# KiCad board TRX055.01.01.PB.00.00.kicad_pcb (continued)
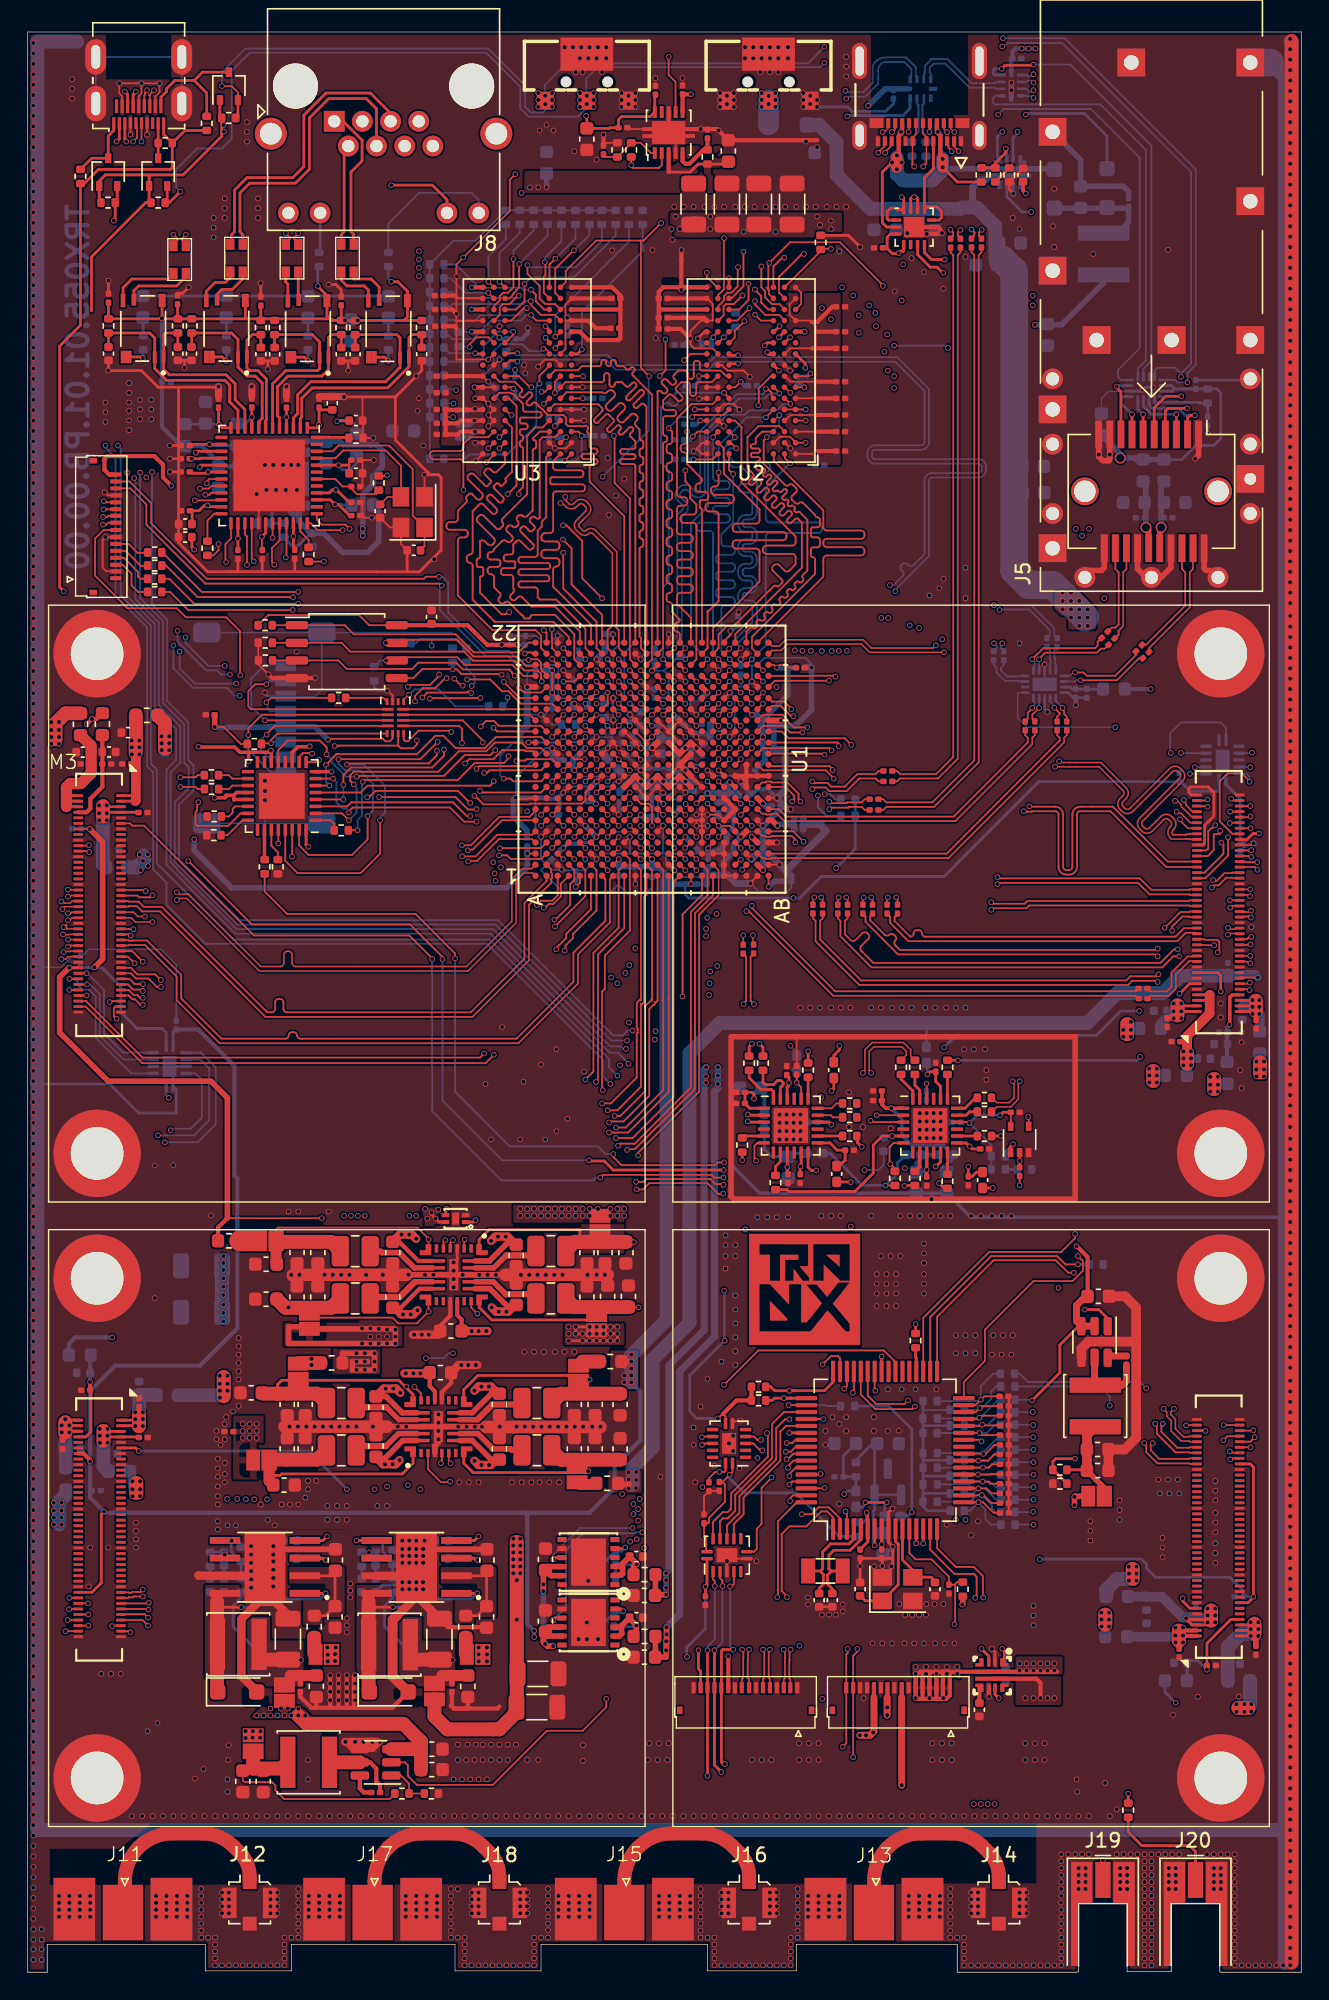
[diagram p0: board, top side]
## Routing (per net, layer and track width the routed paths; a pad name or vN(x,y) marks a point on that pad's centre or on a via; arc(x,y) is an arc through that point) (continued)
/A3_HS_13_N: length 47.5
  Top w0.124: M3.53 7.23,74.38 7.28,74.32 7.58,74.32 7.59,74.34 8.59,74.34 11.06,71.87 11.06,70.17 13.97,67.26 18.58,67.26 arc(18.74,67.33) 18.81,67.5 arc(18.88,67.66) 19.04,67.73 19.18,67.73 arc(19.34,67.66) 19.41,67.5 arc(19.48,67.33) 19.64,67.26 35.23,67.26 39.34,71.37 39.34,73.47 41.64,75.77 41.64,78.76 U1.G1
/A3_HS_13_P: length 47.5
  Top w0.124: M3.55 7.25,73.97 7.28,74.01 8.46,74.01 10.74,71.73 10.74,70.03 13.83,66.94 35.37,66.94 39.66,71.23 39.66,73.33 41.96,75.63 41.96,78.76 U1.H1
/A3_HS_14_N: length 54.8
  Top w0.106: v1(2.58,73.5) 2.62,73.55 3.05,73.55 3.08,73.58 M3.58
  Top w0.127: U1.F4 v1(41,81)
  In2.Cu w0.106: v1(2.58,73.5) 8.9,73.5 9.7,72.7 11.1,72.7 16.89,66.91 17.11,66.91 arc(17.48,66.75) 17.64,66.38 arc(17.7,66.22) 17.86,66.15 18.11,66.15 arc(18.26,66.22) 18.33,66.38 arc(18.49,66.75) 18.86,66.91 19.11,66.91 arc(19.48,66.75) 19.64,66.38 arc(19.7,66.22) 19.86,66.15 20.11,66.15 arc(20.26,66.22) 20.33,66.38 arc(20.49,66.75) 20.86,66.91 33.89,66.91 40.95,73.96 40.95,78.82 41,78.88 41,79.7 40.65,80.05 40.65,80.35 40.85,80.55 40.85,80.85 v1(41,81)
/A3_HS_14_P: length 59.2
  Top w0.106: M3.60 2.92,73.17 2.75,73 v1(2.42,73)
  Top w0.127: U1.G4 v1(41.8,81)
  In2.Cu w0.106: v1(41.8,81) 41.31,80.51 41.31,80.43 41.35,80.38 41.35,80.02 41.31,79.97 41.31,78.75 41.26,78.7 ; v1(2.42,73) 2.75,73 2.95,73.2 4.61,73.2 arc(4.68,73.17) 4.71,73.1 arc(4.74,73.02) 4.81,73 5.21,73 arc(5.28,73.02) 5.31,73.1 arc(5.34,73.17) 5.41,73.2 5.81,73.2 arc(5.98,73.12) 6.05,72.96 6.05,71.59 arc(6.12,71.42) 6.29,71.35 6.41,71.35 arc(6.58,71.42) 6.65,71.59 6.65,72.96 arc(6.72,73.12) 6.89,73.2 8.77,73.2 9.57,72.39 10.97,72.39 16.76,66.6 17.11,66.6 arc(17.26,66.53) 17.33,66.38 arc(17.49,66) 17.86,65.85 18.11,65.85 arc(18.48,66) 18.64,66.38 arc(18.7,66.53) 18.86,66.6 19.11,66.6 arc(19.26,66.53) 19.33,66.38 arc(19.49,66) 19.86,65.85 20.11,65.85 arc(20.48,66) 20.64,66.38 arc(20.7,66.53) 20.86,66.6 34.02,66.6 41.25,73.84 41.25,78.7
/A3_HS_15_N: length 55.4
  Top w0.127: M3.57 7.53,73.58 v1(8.3,72.8) ; U1.G2 v1(41.8,79.4)
  In2.Cu w0.106: v1(41.8,79.4) 41.8,73.62 33.89,65.71 32.21,65.71 arc(32.04,65.78) 31.97,65.95 31.97,66 arc(31.9,66.17) 31.73,66.24 31.61,66.24 arc(31.44,66.17) 31.37,66 31.37,65.95 arc(31.3,65.78) 31.13,65.71 31.01,65.71 arc(30.84,65.78) 30.77,65.95 30.77,66 arc(30.7,66.17) 30.53,66.24 30.41,66.24 arc(30.24,66.17) 30.17,66 30.17,65.95 arc(30.1,65.78) 29.93,65.71 27.62,65.71 arc(27.5,65.76) 27.45,65.88 arc(27.31,66.22) 26.97,66.36 26.62,66.36 arc(26.28,66.22) 26.14,65.88 26.14,65.33 arc(26.12,65.28) 26.07,65.25 25.52,65.25 arc(25.47,65.28) 25.45,65.33 25.45,65.88 arc(25.31,66.22) 24.97,66.36 24.62,66.36 arc(24.28,66.22) 24.14,65.88 24.14,65.33 arc(24.12,65.28) 24.07,65.25 23.52,65.25 arc(23.47,65.28) 23.45,65.33 23.45,65.88 arc(23.31,66.22) 22.97,66.36 22.62,66.36 arc(22.28,66.22) 22.14,65.88 22.14,65.33 arc(22.12,65.28) 22.07,65.25 21.52,65.25 arc(21.47,65.28) 21.45,65.33 arc(21.34,65.6) 21.07,65.71 20.52,65.71 arc(20.25,65.6) 20.14,65.33 arc(20.12,65.28) 20.07,65.25 19.52,65.25 arc(19.47,65.28) 19.45,65.33 arc(19.34,65.6) 19.07,65.71 18.52,65.71 arc(18.25,65.6) 18.14,65.33 arc(18.12,65.28) 18.07,65.25 17.52,65.25 arc(17.47,65.28) 17.45,65.33 arc(17.34,65.6) 17.07,65.71 16.39,65.71 9.95,72.15 8.68,72.15 8.3,72.54 v1(8.3,72.8)
/A3_HS_15_P: length 55.4
  Top w0.127: v1(7.7,72.7) 7.22,73.17 M3.59 ; U1.G3 v1(41.8,80.2)
  In2.Cu w0.106: v1(41.8,80.2) 42.02,79.98 42.02,79.82 42.15,79.69 42.15,79.25 42.11,79.21 42.11,73.49 34.02,65.4 27.62,65.4 arc(27.28,65.54) 27.14,65.88 arc(27.09,66) 26.97,66.05 26.62,66.05 arc(26.5,66) 26.45,65.88 26.45,65.33 arc(26.34,65.06) 26.07,64.95 25.52,64.95 arc(25.25,65.06) 25.14,65.33 25.14,65.88 arc(25.09,66) 24.97,66.05 24.62,66.05 arc(24.5,66) 24.45,65.88 24.45,65.33 arc(24.34,65.06) 24.07,64.95 23.52,64.95 arc(23.25,65.06) 23.14,65.33 23.14,65.88 arc(23.09,66) 22.97,66.05 22.62,66.05 arc(22.5,66) 22.45,65.88 22.45,65.33 arc(22.34,65.06) 22.07,64.95 21.52,64.95 arc(21.25,65.06) 21.14,65.33 arc(21.12,65.38) 21.07,65.4 20.52,65.4 arc(20.47,65.38) 20.45,65.33 arc(20.34,65.06) 20.07,64.95 19.52,64.95 arc(19.25,65.06) 19.14,65.33 arc(19.12,65.38) 19.07,65.4 18.52,65.4 arc(18.47,65.38) 18.45,65.33 arc(18.34,65.06) 18.07,64.95 17.52,64.95 arc(17.25,65.06) 17.14,65.33 arc(17.12,65.38) 17.07,65.4 16.26,65.4 9.82,71.85 8.55,71.85 v1(7.7,72.7)
/A3_HS_16_N: length 58.9
  Top w0.127: v1(9.6,70.99) 9.31,70.99 8.7,71.6 7.8,71.6 7.42,71.97 M3.65 ; U1.H4 v1(42.6,81.8)
  In2.Cu w0.106: v1(42.6,81.8) 42.6,81.63 43,81.23 43,79.4 42.95,79.35 42.95,73.24 34.12,64.4 28.58,64.4 arc(28.31,64.51) 28.2,64.78 arc(28.17,64.83) 28.12,64.85 27.58,64.85 arc(27.53,64.83) 27.5,64.78 27.5,64.28 arc(27.38,63.97) 27.07,63.85 26.63,63.85 arc(26.32,63.97) 26.2,64.28 arc(26.16,64.36) 26.07,64.4 25.63,64.4 arc(25.54,64.36) 25.5,64.28 arc(25.38,63.97) 25.07,63.85 24.63,63.85 arc(24.32,63.97) 24.2,64.28 arc(24.16,64.36) 24.07,64.4 23.63,64.4 arc(23.54,64.36) 23.5,64.28 arc(23.38,63.97) 23.07,63.85 22.63,63.85 arc(22.32,63.97) 22.2,64.28 arc(22.16,64.36) 22.07,64.4 21.63,64.4 arc(21.54,64.36) 21.5,64.28 arc(21.38,63.97) 21.07,63.85 20.63,63.85 arc(20.32,63.97) 20.2,64.28 arc(20.16,64.36) 20.07,64.4 19.63,64.4 arc(19.54,64.36) 19.5,64.28 arc(19.38,63.97) 19.07,63.85 18.63,63.85 arc(18.32,63.97) 18.2,64.28 arc(18.16,64.36) 18.07,64.4 17.63,64.4 arc(17.54,64.36) 17.5,64.28 arc(17.38,63.97) 17.07,63.85 16.63,63.85 arc(16.32,63.97) 16.2,64.28 16.2,64.78 arc(16.17,64.83) 16.12,64.85 15.58,64.85 arc(15.53,64.83) 15.5,64.78 arc(15.39,64.51) 15.12,64.4 14.68,64.4 9.95,69.14 9.95,70.71 9.66,70.99 v1(9.6,70.99) 9.68,71.08 9.68,70.87
/A3_HS_16_P: length 58.5
  Top w0.127: U1.H3 v1(42.6,81) ; v1(9.6,71.49) 9.19,71.9 7.9,71.9 7.42,72.38 M3.63
  In2.Cu w0.106: 9.68,71.41 v1(9.6,71.49) 10.25,70.84 10.25,70.79 arc(10.33,70.62) 10.49,70.55 10.71,70.55 arc(10.88,70.48) 10.95,70.31 10.95,70.19 arc(10.88,70.02) 10.71,69.95 10.49,69.95 arc(10.33,69.88) 10.25,69.71 10.25,69.26 14.81,64.71 15.12,64.71 arc(15.17,64.73) 15.2,64.78 arc(15.31,65.05) 15.58,65.16 16.12,65.16 arc(16.39,65.05) 16.5,64.78 16.5,64.28 arc(16.54,64.19) 16.63,64.15 17.07,64.15 arc(17.16,64.19) 17.2,64.28 arc(17.32,64.58) 17.63,64.71 18.07,64.71 arc(18.38,64.58) 18.5,64.28 arc(18.54,64.19) 18.63,64.15 19.07,64.15 arc(19.16,64.19) 19.2,64.28 arc(19.32,64.58) 19.63,64.71 20.07,64.71 arc(20.38,64.58) 20.5,64.28 arc(20.54,64.19) 20.63,64.15 21.07,64.15 arc(21.16,64.19) 21.2,64.28 arc(21.32,64.58) 21.63,64.71 22.07,64.71 arc(22.38,64.58) 22.5,64.28 arc(22.54,64.19) 22.63,64.15 23.07,64.15 arc(23.16,64.19) 23.2,64.28 arc(23.32,64.58) 23.63,64.71 24.07,64.71 arc(24.38,64.58) 24.5,64.28 arc(24.54,64.19) 24.63,64.15 25.07,64.15 arc(25.16,64.19) 25.2,64.28 arc(25.32,64.58) 25.63,64.71 26.07,64.71 arc(26.38,64.58) 26.5,64.28 arc(26.54,64.19) 26.63,64.15 27.07,64.15 arc(27.16,64.19) 27.2,64.28 27.2,64.78 arc(27.31,65.05) 27.58,65.16 28.12,65.16 arc(28.39,65.05) 28.5,64.78 arc(28.53,64.73) 28.58,64.71 33.91,64.71 42.65,73.45 42.65,79.49 42.23,79.91 42.23,80.29 42.16,80.35 42.16,80.56 v1(42.6,81)
/A3_HS_17_N: length 58.6
  Top w0.12: v1(8.3,70.7) 8.39,70.79
  Top w0.127: M3.69 7.22,71.17 7.6,70.8 8.3,70.8 ; U1.G6 v1(41.8,82.6)
  In2.Cu w0.106: v1(42.5,71.25) 42.06,71.25 42.01,71.2 42.01,71.12 34.19,63.3 14.18,63.3 11.52,65.96 arc(11.39,66.28) 11.52,66.6 arc(11.57,66.71) 11.52,66.81 11.25,67.09 arc(11.14,67.13) 11.04,67.09 10.5,66.56 arc(10.11,66.39) 9.72,66.56 9.58,66.7 arc(9.41,67.09) 9.58,67.48 9.61,67.52 arc(9.69,67.69) 9.61,67.87 9.25,68.24 9.25,69.82 8.36,70.7 v1(8.3,70.7) ; v1(8.3,70.7) 8.4,70.8 ; v1(8.3,70.7) 8.39,70.79
  In4.Cu w0.106: 41.8,82.58 v1(41.8,82.6) 41.42,82.22 41.42,79.95 40.93,79.45 40.93,73.84 42.5,72.27 v1(42.5,71.25)
/A3_HS_17_P: length 58.6
  Top w0.12: v1(8.3,71.2) 8.39,71.11
  Top w0.127: U1.F6 v1(41,82.6) ; M3.67 7.33,71.58 7.7,71.2 8.4,71.2
  In2.Cu w0.106: v1(8.3,71.2) 8.39,71.11 ; v1(8.3,71.2) 9.55,69.95 9.55,68.36 9.83,68.09 arc(10,67.69) 9.83,67.3 9.79,67.26 arc(9.72,67.09) 9.79,66.92 9.94,66.77 arc(10.11,66.7) 10.28,66.77 10.82,67.31 arc(11.14,67.44) 11.46,67.31 11.74,67.03 arc(11.88,66.71) 11.74,66.38 arc(11.7,66.28) 11.74,66.18 12.68,65.24 arc(12.85,65.17) 13.02,65.24 13.1,65.32 arc(13.27,65.39) 13.44,65.32 13.53,65.24 arc(13.6,65.07) 13.53,64.9 13.44,64.81 arc(13.37,64.64) 13.44,64.47 14.31,63.61 34.06,63.61 41.71,71.26 41.71,71.33 v1(42.05,71.67) ; v1(8.3,71.2) 8.4,71.1
  In4.Cu w0.106: v1(41,82.6) 41,82.58 40.58,82.15 40.58,79.6 40.62,79.55 40.62,73.71 42.19,72.14 42.19,71.82 v1(42.05,71.67)
/A3_HS_18_N: length 65.1
  Top w0.127: U1.G8 v1(41.8,84.2) ; M3.73 7.28,70.38 7.55,70.1 7.72,70.1 8.12,69.7 8.4,69.7
  In2.Cu w0.106: 8.33,69.7 v1(8.3,69.7) 8.3,67.18 12.88,62.6 13.57,62.6 arc(13.65,62.56) 13.69,62.48 arc(13.73,62.39) 13.81,62.36 14.17,62.36 arc(14.25,62.39) 14.29,62.48 arc(14.33,62.56) 14.41,62.6 14.77,62.6 arc(14.85,62.56) 14.89,62.48 arc(14.93,62.39) 15.01,62.36 15.37,62.36 arc(15.45,62.39) 15.49,62.48 arc(15.53,62.56) 15.61,62.6 15.97,62.6 arc(16.05,62.56) 16.09,62.48 arc(16.13,62.39) 16.21,62.36 16.57,62.36 arc(16.65,62.39) 16.69,62.48 arc(16.73,62.56) 16.81,62.6 17.17,62.6 arc(17.25,62.56) 17.29,62.48 arc(17.33,62.39) 17.41,62.36 17.77,62.36 arc(17.85,62.39) 17.89,62.48 arc(17.93,62.56) 18.01,62.6 18.37,62.6 arc(18.45,62.56) 18.49,62.48 arc(18.53,62.39) 18.61,62.36 18.97,62.36 arc(19.05,62.39) 19.09,62.48 arc(19.13,62.56) 19.21,62.6 19.57,62.6 arc(19.65,62.56) 19.69,62.48 arc(19.73,62.39) 19.81,62.36 20.17,62.36 arc(20.25,62.39) 20.29,62.48 arc(20.33,62.56) 20.41,62.6 20.77,62.6 arc(20.85,62.56) 20.89,62.48 arc(20.93,62.39) 21.01,62.36 21.37,62.36 arc(21.45,62.39) 21.49,62.48 arc(21.53,62.56) 21.61,62.6 21.97,62.6 arc(22.05,62.56) 22.09,62.48 arc(22.13,62.39) 22.21,62.36 22.57,62.36 arc(22.65,62.39) 22.69,62.48 arc(22.73,62.56) 22.81,62.6 23.17,62.6 arc(23.25,62.56) 23.29,62.48 arc(23.33,62.39) 23.41,62.36 23.77,62.36 arc(23.85,62.39) 23.89,62.48 arc(23.93,62.56) 24.01,62.6 24.37,62.6 arc(24.45,62.56) 24.49,62.48 arc(24.53,62.39) 24.61,62.36 24.97,62.36 arc(25.05,62.39) 25.09,62.48 arc(25.13,62.56) 25.21,62.6 25.57,62.6 arc(25.65,62.56) 25.69,62.48 arc(25.73,62.39) 25.81,62.36 26.17,62.36 arc(26.25,62.39) 26.29,62.48 arc(26.33,62.56) 26.41,62.6 26.77,62.6 arc(26.85,62.56) 26.89,62.48 arc(26.93,62.39) 27.01,62.36 27.37,62.36 arc(27.45,62.39) 27.49,62.48 arc(27.53,62.56) 27.61,62.6 27.97,62.6 arc(28.05,62.56) 28.09,62.48 arc(28.13,62.39) 28.21,62.36 28.57,62.36 arc(28.65,62.39) 28.69,62.48 arc(28.73,62.56) 28.81,62.6 29.17,62.6 arc(29.25,62.56) 29.29,62.48 arc(29.33,62.39) 29.41,62.36 29.77,62.36 arc(29.85,62.39) 29.89,62.48 arc(29.93,62.56) 30.01,62.6 30.37,62.6 arc(30.45,62.56) 30.49,62.48 arc(30.53,62.39) 30.61,62.36 30.97,62.36 arc(31.05,62.39) 31.09,62.48 arc(31.13,62.56) 31.21,62.6 31.57,62.6 arc(31.65,62.56) 31.69,62.48 arc(31.73,62.39) 31.81,62.36 32.17,62.36 arc(32.25,62.39) 32.29,62.48 arc(32.33,62.56) 32.41,62.6 32.77,62.6 arc(32.85,62.56) 32.89,62.48 arc(32.93,62.39) 33.01,62.36 33.37,62.36 arc(33.45,62.39) 33.49,62.48 arc(33.53,62.56) 33.61,62.6 33.97,62.6 arc(34.05,62.56) 34.09,62.48 arc(34.13,62.39) 34.21,62.36 34.57,62.36 arc(34.65,62.39) 34.69,62.48 arc(34.73,62.56) 34.81,62.6 35.24,62.6 43.2,70.56 43.2,71.47 43.55,71.83 43.55,72.25 43.36,72.44 v1(43.36,72.56)
  In4.Cu w0.106: 42.22,83.78 42.21,83.79 ; 42.21,83.79 42.21,83.29 42.47,83.03 42.68,83.03 42.95,82.75 42.95,79.1 42.77,78.92 42.77,78.8 ; 42.21,83.79 v1(41.8,84.2) ; 42.77,78.8 42.77,78.87 ; 42.77,78.8 42.77,73.08 43.29,72.56 v1(43.36,72.56)
/A3_HS_18_P: length 58.3
  Top w0.127: v1(8.3,70.2) 8.1,70.2 7.9,70.4 7.65,70.4 7.28,70.78 M3.71 ; U1.G7 v1(41.8,83.4)
  In2.Cu w0.106: v1(43.08,72) 42.88,71.8 42.88,71.41 42.88,71.41 42.88,71.09 42.88,71.09 42.88,70.67 35.12,62.91 13.01,62.91 8.61,67.31 8.61,69.51 8.65,69.55 8.65,69.85 8.45,70.05 v1(8.3,70.2) 8.42,70.08
  In4.Cu w0.106: v1(41.8,83.4) 41.8,83.1 42.21,82.69 42.21,73.21 43.08,72.34 v1(43.08,72)
/A3_LS_GPIO_0: length 63.1
  Top w0.127: M3.72 v1(3,70.78) ; U1.H6 v1(42.6,82.6)
  In2.Cu w0.1: 43.3,81.36 43,81.66 43,82.2 v1(42.6,82.6)
  In2.Cu w0.127: 43.3,81.36 43.3,73.43 43.8,72.93 43.8,70.08 35.85,62.13 12.17,62.13 6.9,67.4 6.9,69.5 5.62,70.78 v1(3,70.78)
/A3_LS_GPIO_1: length 63.9
  Top w0.127: U1.H5 41.78,81.78 ; v1(4.25,70.38) M3.74
  In2.Cu w0.127: v1(4.25,70.38) 4.28,70.35 4.28,69.03 9.6,63.7 10.1,63.7 11.93,61.87 36.02,61.87 44.08,69.93 44.08,73.4 43.79,73.69 v1(43.79,73.76)
  In4.Cu w0.127: v1(43.79,73.76) 43.44,74.11 43.44,78.71 43.84,79.11 43.84,81.16 44.2,81.53 v1(44.2,81.8)
  Bottom w0.127: v1(41.8,81.8) 42.16,82.16 43.84,82.16 44.22,81.78
/A3_LS_GPIO_2: length 58.3
  Top w0.127: M3.76 4.2,69.97 8.28,65.9 32.6,65.9 v1(32.9,66.2) ; U1.D7 39.38,83.42
  In4.Cu w0.127: v1(39.4,83.4) 39.58,83.4 40,82.97 40.35,82.97 40.7,83.33 40.7,83.83 40.28,84.25 36.08,84.25 32.55,80.72 32.55,74.3 33.1,73.75 33.1,67.7 32.9,67.5 v1(32.9,66.2)
/A3_LS_GPIO_3: length 55.5
  Top w0.127: v1(33.6,66.1) 33,65.5 8.25,65.5 4.17,69.58 M3.78 ; U1.D6 39.35,82.65
  In4.Cu w0.127: v1(39.42,82.6) 39.15,82.6 38.71,83.04 37.65,83.04 37.38,83.31 37.38,83.54 37.15,83.76 36.64,83.76 36.1,83.22 35.76,83.22 32.9,80.37 32.9,75 33.6,74.3 v1(33.6,66.1)
/A3_SPI_EN: length 55
  Top w0.127: v1(45,82.6) 45,83.96 44.76,84.19 44.21,84.19 U1.K8
  In2.Cu w0.127: v1(43.34,68.42) 42.93,68.42 36.13,61.62 11.56,61.62 v1(10.17,63)
  In4.Cu w0.127: 43.34,68.59 44.64,69.89 44.64,82.24 v1(45,82.6)
  Bottom w0.127: U23.8 9.97,63.2 v1(10.17,63)
/A4_HS_16_N: length 91.2
  Top w0.124: v1(8.3,27.07) 7.65,27.07 7.59,27.01 7.28,27.01 7.25,26.97 M4.65
  Top w0.127: 45,70.1 44.5,69.6 44.5,63.47 42.72,61.7 v1(42.3,61.7) ; 45,70.1 45,77.7 ; 45,70.1 45,70 ; 45,77.7 45,79.4 U1.L2 ; 45,77.7 45,77.6
  In2.Cu w0.106: v1(42.3,61.7) 41.22,61.7 38.81,59.29 25.3,59.29 arc(24.93,59.45) 24.77,59.82 arc(24.71,59.98) 24.55,60.05 24.3,60.05 arc(24.15,59.98) 24.08,59.82 arc(23.92,59.45) 23.55,59.29 23.3,59.29 arc(22.93,59.45) 22.77,59.82 arc(22.71,59.98) 22.55,60.05 22.3,60.05 arc(22.15,59.98) 22.08,59.82 arc(21.92,59.45) 21.55,59.29 21.3,59.29 arc(20.93,59.45) 20.77,59.82 arc(20.71,59.98) 20.55,60.05 20.3,60.05 arc(20.15,59.98) 20.08,59.82 arc(19.92,59.45) 19.55,59.29 19.3,59.29 arc(18.93,59.45) 18.77,59.82 arc(18.71,59.98) 18.55,60.05 18.3,60.05 arc(18.15,59.98) 18.08,59.82 arc(17.92,59.45) 17.55,59.29 17.3,59.29 arc(16.93,59.45) 16.77,59.82 arc(16.71,59.98) 16.55,60.05 16.3,60.05 arc(16.15,59.98) 16.08,59.82 arc(15.92,59.45) 15.55,59.29 15.3,59.29 arc(14.93,59.45) 14.77,59.82 arc(14.71,59.98) 14.55,60.05 14.3,60.05 arc(14.15,59.98) 14.08,59.82 arc(13.92,59.45) 13.55,59.29 13.16,59.29 10.12,56.26 10.12,28.56 8.74,27.17 8.4,27.17 v1(8.3,27.07)
/A4_HS_16_P: length 89.5
  Top w0.124: v1(8.3,27.57) 8.13,27.4 7.52,27.4 7.46,27.34 7.28,27.34 7.25,27.38 M4.63
  Top w0.127: U1.L1 44.6,77.65 ; 44.6,77.65 44.6,77.6 ; 44.6,77.65 44.43,77.48 44.43,69.91 44.29,69.77 44.2,69.77 44.2,63.8 42.5,62.1 v1(41.8,62.1)
  In2.Cu w0.106: v1(8.3,27.57) 8.4,27.48 8.61,27.48 9.82,28.68 9.82,56.38 13.03,59.6 13.55,59.6 arc(13.71,59.67) 13.77,59.82 arc(13.93,60.2) 14.3,60.35 14.55,60.35 arc(14.92,60.2) 15.08,59.82 arc(15.15,59.67) 15.3,59.6 15.55,59.6 arc(15.71,59.67) 15.77,59.82 arc(15.93,60.2) 16.3,60.35 16.55,60.35 arc(16.92,60.2) 17.08,59.82 arc(17.15,59.67) 17.3,59.6 17.55,59.6 arc(17.71,59.67) 17.77,59.82 arc(17.93,60.2) 18.3,60.35 18.55,60.35 arc(18.92,60.2) 19.08,59.82 arc(19.15,59.67) 19.3,59.6 19.55,59.6 arc(19.71,59.67) 19.77,59.82 arc(19.93,60.2) 20.3,60.35 20.55,60.35 arc(20.92,60.2) 21.08,59.82 arc(21.15,59.67) 21.3,59.6 21.55,59.6 arc(21.71,59.67) 21.77,59.82 arc(21.93,60.2) 22.3,60.35 22.55,60.35 arc(22.92,60.2) 23.08,59.82 arc(23.15,59.67) 23.3,59.6 23.55,59.6 arc(23.71,59.67) 23.77,59.82 arc(23.93,60.2) 24.3,60.35 24.55,60.35 arc(24.92,60.2) 25.08,59.82 arc(25.15,59.67) 25.3,59.6 38.68,59.6 41.09,62.01 41.71,62.01 v1(41.8,62.1)
/A4_HS_17_N: length 93.5
  Top w0.127: 45.8,70.12 45.8,79.4 U1.M2 ; 45.8,70.12 45.8,63.55 43.11,60.86 v1(42.4,60.86) ; 45.8,70.12 45.8,70 ; M4.69 8.65,26.18
  In2.Cu w0.106: v1(8.7,26.12) 8.81,26.23 9.47,26.23 11.13,27.9 11.13,54.71 14.76,58.35 16.6,58.35 arc(16.78,58.27) 16.85,58.1 16.85,58 arc(17.01,57.6) 17.4,57.44 17.6,57.44 arc(18,57.6) 18.16,58 18.16,58.78 arc(18.2,58.86) 18.28,58.9 18.73,58.9 arc(18.81,58.86) 18.85,58.78 18.85,58 arc(19.01,57.6) 19.4,57.44 19.6,57.44 arc(20,57.6) 20.16,58 20.16,58.78 arc(20.2,58.86) 20.28,58.9 20.73,58.9 arc(20.81,58.86) 20.85,58.78 20.85,58 arc(21.01,57.6) 21.4,57.44 21.6,57.44 arc(22,57.6) 22.16,58 22.16,58.78 arc(22.2,58.86) 22.28,58.9 22.73,58.9 arc(22.81,58.86) 22.85,58.78 arc(22.98,58.47) 23.28,58.35 38.96,58.35 41.48,60.86 v1(42.4,60.86)
/A4_HS_17_P: length 91.9
  Top w0.127: M4.67 8.67,26.57 ; U1.M1 45.4,77.67 ; 45.4,77.67 45.4,70 45.31,69.91 45.23,69.91 45.2,69.88 45.2,69.77 45.12,69.69 45.09,69.69 44.8,69.4 44.8,63.15 42.95,61.3 41.97,61.3 v1(41.9,61.22) ; 45.4,77.67 45.4,77.6
  In2.Cu w0.106: v1(41.9,61.22) 41.85,61.17 41.35,61.17 38.84,58.65 23.28,58.65 arc(23.2,58.69) 23.16,58.78 arc(23.03,59.08) 22.73,59.21 22.28,59.21 arc(21.98,59.08) 21.85,58.78 21.85,58 arc(21.78,57.82) 21.6,57.75 21.4,57.75 arc(21.23,57.82) 21.16,58 21.16,58.78 arc(21.03,59.08) 20.73,59.21 20.28,59.21 arc(19.98,59.08) 19.85,58.78 19.85,58 arc(19.78,57.82) 19.6,57.75 19.4,57.75 arc(19.23,57.82) 19.16,58 19.16,58.78 arc(19.03,59.08) 18.73,59.21 18.28,59.21 arc(17.98,59.08) 17.85,58.78 17.85,58 arc(17.78,57.82) 17.6,57.75 17.4,57.75 arc(17.23,57.82) 17.16,58 17.16,58.1 arc(17,58.49) 16.6,58.65 14.64,58.65 10.82,54.84 10.82,28.05 9.31,26.54 8.81,26.54 v1(8.72,26.62)
/A4_HS_18_N: length 88.2
  Top w0.127: U1.P1 46.55,78.55 46.55,63.05 43.6,60.1 v1(42.4,60.1) ; M4.73 8.28,25.38 v1(8.67,24.97)
  In2.Cu w0.106: v1(42.4,60.1) 42.3,60 42.1,60 41.62,59.52 41.62,58.32 40.19,56.89 15.04,56.89 13.06,54.91 13.04,54.91 12.82,54.68 12.82,54.67 11.95,53.8 11.95,27.27 9.79,25.11 8.81,25.11 v1(8.67,24.97)
/A4_HS_18_P: length 87.5
  Top w0.127: 46.2,70.15 46.2,63.42 43.28,60.5 42.55,60.5 42.55,60.5 42.25,60.5 42.25,60.5 v1(41.9,60.5) ; 46.2,70.15 U1.N1 ; 46.2,70.15 46.2,70 ; M4.71 6.75,25.8 8.42,25.8 v1(8.67,25.55)
  In2.Cu w0.106: v1(8.67,25.55) 8.81,25.42 9.63,25.42 11.65,27.43 11.65,53.93 14.91,57.2 40.06,57.2 41.34,58.47 41.34,59.64 41.9,60.2 v1(41.9,60.5)
/A4_LS_GPIO_0: length 89.5
  Top w0.127: 44.2,70.15 44.2,70 ; 44.2,70.15 44.2,79.4 U1.K2 ; 44.2,70.15 43.9,69.85 43.9,68.07 43.96,68 43.96,67.7 43.9,67.63 43.9,64.47 42.03,62.6 v1(41.4,62.6) ; M4.72 4.4,25.78
  In2.Cu w0.127: 4.67,25.78 v1(4.38,25.78) 6.5,25.78 7.4,26.68 7.4,27.43 8.1,28.12 8.55,28.12 9.22,28.8 9.22,47.25 8.62,47.85 8.62,49.25 9.08,49.7 9.08,56.17 13.5,60.6 36.55,60.6 38.55,62.6 v1(41.4,62.6)
/A4_LS_GPIO_1: length 96.3
  Top w0.127: U1.T2 49.01,79.39 49.01,77.61 ; 49.01,77.61 47.8,76.4 47.8,63.75 43.75,59.7 42.7,59.7 v1(42.55,59.55) ; 49.01,77.61 49,77.6 ; M4.74 2.85,25.38
  In2.Cu w0.127: v1(2.88,25.38) 7.25,25.38 8.3,24.32 10.2,24.32 12.58,26.7 12.58,53.22 15.15,55.8 15.21,55.8 15.37,55.95 15.43,55.95 15.59,56.11 41.49,56.11 42.8,57.42 42.8,59.3 v1(42.55,59.55)
/A4_LS_GPIO_2: length 94
  Top w0.127: U1.U1 49.4,77.6 48.1,76.3 48.1,63.65 43.75,59.3 43.25,59.3 v1(43.2,59.25) ; M4.76 v1(4.38,24.97)
  In2.Cu w0.127: 9.47,24 10.28,24 12.88,26.6 12.88,53.1 15.47,55.7 15.54,55.7 15.69,55.85 41.59,55.86 43.48,57.74 43.48,58.11 43.2,58.39 v1(43.2,59.25) ; 9.47,24 6.03,24 5.05,24.97 v1(4.38,24.97) ; 9.47,24 9.53,24
/A4_LS_GPIO_3: length 96.7
  Top w0.1: 49.8,77.6 49.8,79.4
  Top w0.127: v1(44,58.85) 44,59.05 48.4,63.45 48.4,76.2 49.8,77.6 ; M4.78 2.92,24.57 ; 49.8,79.4 U1.U2
  In2.Cu w0.127: 9.4,23.68 10.47,23.68 13.15,26.35 13.15,52.95 15.8,55.6 41.7,55.6 43.9,57.8 43.9,58.6 44,58.7 v1(44,58.85) ; 9.4,23.68 9.5,23.68 ; 9.4,23.68 5.78,23.68 4.88,24.57 v1(2.73,24.57)
/Clocking/CLK_PWR: length 8.9
  Top w0.127: R142.1 61.93,56.69
  Bottom w0.2: FB13.1 57.85,59 60.16,56.69 v1(61.82,56.69) 62.68,57.54 62.68,58.3 FB14.1
/Clocking/CLK_PWR_VBAT: length 16.1
  Top w0.127: U16.6 52.59,59.75 52.38,59.54 52.38,58.65 52.52,58.51 ; U13.6 62.42,59.75 62.12,59.45 62.12,58.31 62.22,58.21 ; R142.2 62.51,57.89 v1(62.17,58.23)
  In2.Cu w0.127: v1(62.17,58.23) 62.17,58.58 60.75,60 59.42,60 57.9,58.48 v1(52.51,58.48)
/Clocking/CLK_REF_IN: length 24.5
  Top w0.2: R87.2 v1(64,46.7) ; R90.2 v1(51.5,58.51)
  In2.Cu w0.2: v1(64,46.7) 64,52 63,53 52.25,53 v1(51.72,53.53)
  In4.Cu w0.2: v1(51.5,58.51) 51.5,53.75 v1(51.72,53.53)
/Clocking/EXT_REF_EN: length 22.1
  Top w0.2: v1(71.02,59.66) 70.85,59.49 U28.1 ; U17.41 v1(61.55,44.36)
  In4.Cu w0.2: v1(71.02,59.66) 67.08,55.72 67.08,50.4 62.03,45.35 62.03,44.84 v1(61.55,44.36)
  Bottom w0.2: R166.2 70.48,59.12 v1(71.02,59.66)
/ETH_PHY_Metal/ETH_Pair1/MDI_IN_N: length 12.1
  Top w0.2: C135.1 11.82,117.12 R60.2 14.69,118.11 15.16,117.65 15.16,115.65 15.8,115 16.4,115 16.9,114.5 16.9,111.96 16.65,111.71 U11.8
/ETH_PHY_Metal/ETH_Pair1/MDI_IN_P: length 9.4
  Top w0.2: U11.7 17.15,111.79 17.2,111.84 17.2,114.8 16.6,115.4 16,115.4 15.8,115.6 T2.1 15.8,117.6 16.19,117.99 R61.2 C136.1
/ETH_PHY_Metal/ETH_Pair1/MDI_N: length 21.5
  Top w0.2: L10.2 14.7,124.6 14.7,125.2 14.9,125.4 14.9,128.4 15.8,129.3 19.1,129.3 19.9,130.1 19.9,133.8 21.5,135.4 24.7,135.4 26.15,133.95 J8.5
/ETH_PHY_Metal/ETH_Pair1/MDI_P: length 21.6
  Top w0.2: L10.3 15.5,125.2 15.3,125.4 15.3,128.2 16,128.9 19.3,128.9 20.3,129.9 20.3,133.6 21.7,135 24.4,135 25.14,134.26 J8.4
/ETH_PHY_Metal/ETH_Pair1/POE: length 1.8
  Top w0.2: T2.3 14.02,116.38 v1(14.3,116.1)
  Bottom w0.2: R62.1 14.32,116.22 14.3,116.2
/ETH_PHY_Metal/ETH_Pair2/MDI_IN_N: length 13.3
  Top w0.2: U11.6 17.65,114.45 18.6,115.4 20.9,115.4 21.03,115.53 T3.2 21.03,117.47 20.5,118 20.49,117.99 R63.2 17.79,117.07 C139.1
/ETH_PHY_Metal/ETH_Pair2/MDI_IN_P: length 11.5
  Top w0.2: U11.5 18.15,112 18,112.15 18,114.24 18.76,115 21.2,115 21.68,115.48 T3.1 21.68,117.78 21.89,117.99 R64.2 C140.1
/ETH_PHY_Metal/ETH_Pair2/MDI_N: length 15.9
  Top w0.124: v1(18.6,125.3) 18.89,125.01 18.89,124.89 18.6,124.6 L11.2
  In2.Cu w0.106: J8.6 25.23,129.64 25.23,126.56 22.25,123.58 19.48,123.58 18.9,124.16 18.9,125 v1(18.6,125.3)
/ETH_PHY_Metal/ETH_Pair2/MDI_P: length 16.2
  Top w0.124: v1(19.5,125.3) 19.21,125.01 19.21,124.89 19.5,124.6 L11.3
  In2.Cu w0.106: v1(19.5,125.3) 19.2,125 19.2,124.28 19.6,123.88 22.13,123.88 24.93,126.68 24.93,129.57 24.12,130.37 J8.3
/ETH_PHY_Metal/ETH_Pair2/POE: length 1.9
  Top w0.2: T3.3 19.94,116.36 v1(20.2,116.1)
  Bottom w0.2: R65.1 v1(20.2,116.1)
/ETH_PHY_Metal/ETH_Pair3/MDI_IN_N: length 17.1
  Top w0.2: C143.1 R66.2 26.61,117.99 26.83,117.77 T4.2 26.83,115.63 25.8,114.6 20.4,114.6 19.45,113.65 19.45,112.3 19.15,112 U11.3
/ETH_PHY_Metal/ETH_Pair3/MDI_IN_P: length 14.9
  Top w0.2: C144.1 R67.2 27.69,117.99 27.48,117.78 T4.1 27.48,115.72 27.5,115.7 25.95,114.15 20.5,114.15 19.75,113.4 19.75,112.05 19.65,111.95 U11.2
/ETH_PHY_Metal/ETH_Pair3/MDI_N: length 7.3
  Top w0.2: L12.2 22.6,125.2 22.8,125.4 22.8,131.27 J8.2
/ETH_PHY_Metal/ETH_Pair3/MDI_P: length 10.5
  Top w0.2: J8.1 22.74,133.36 24.1,132 24.1,130.5 23.3,129.7 23.3,125.4 23.5,125.2 L12.3
/ETH_PHY_Metal/ETH_Pair3/POE: length 2
  Top w0.2: T4.3 25.74,116.36 v1(26,116.1)
  Bottom w0.2: R68.1 26,116
/ETH_PHY_Metal/ETH_Pair/MDI_IN_N: length 15.9
  Top w0.2: C131.1 R55.2 8.79,118.11 9.16,117.75 9.16,115.55 10,114.7 14.2,114.7 14.55,114.35 14.55,113.15 15.15,112.55 U11.11
/ETH_PHY_Metal/ETH_Pair/MDI_IN_P: length 13.6
  Top w0.2: C132.1 R58.2 9.91,118.11 9.8,118 T1.1 9.8,115.5 10.2,115.1 14.3,115.1 14.95,114.45 14.95,113.3 15.65,112.6 U11.10
/ETH_PHY_Metal/ETH_Pair/MDI_N: length 27.4
  Top w0.124: L9.2 10.5,124.5 10.79,124.79 10.79,124.91 v1(10.5,125.2)
  In2.Cu w0.106: v1(10.5,125.2) 10.8,124.9 10.8,123.68 11.95,122.53 23.71,122.53 28.5,127.31 28.5,130.87 J8.8
/ETH_PHY_Metal/ETH_Pair/MDI_P: length 27.9
  Top w0.124: v1(11.4,125.2) 11.11,124.91 11.11,124.79 11.4,124.5 L9.3
  In2.Cu w0.106: J8.7 28.19,127.43 23.59,122.83 12.07,122.83 11.1,123.8 11.1,124.9 v1(11.4,125.2)
/ETH_PHY_Metal/ETH_Pair/POE: length 1.7
  Top w0.2: T1.3 8.22,116.38 v1(8.3,116.3)
  Bottom w0.2: R59.1 8.32,116.28
/ETH_PHY_Metal/nLED1: length 36
  Top w0.2: 12.37,108.44 12.52,108.59 U11.17 ; J8.11 30.22,127.71 29.17,128.76 v1(26.2,128.76)
  In4.Cu w0.2: 26.22,128.79 21.45,124.02 16.94,124.02 15.66,122.74 15.33,122.74 12.51,119.92 12.51,108.56 v1(12.39,108.44)
/ETH_PHY_Metal/nLED2: length 22
  Top w0.2: U11.15 12.24,109.59 12.11,109.46
  In4.Cu w0.2: v1(12.11,109.48) 12.11,120.08 J8.9
/ETH_PHY_Metal/SMI_MDC: length 37.7
  Top w0.127: v1(22.7,103.9) 20.9,103.9 20.4,104.4 U11.36 ; v1(31.35,92.7) 31.25,92.7 v1(30.75,93.2) ; U1.D13 v1(39.4,88.2)
  In2.Cu w0.127: 31.4,92.65 v1(31.35,92.7) 31.36,92.69 31.36,92.19 32.2,91.35 33.55,91.35 34.7,90.2 39.52,90.2 39.76,90.45 39.76,90.68 40.05,90.96 40.28,90.96 40.56,91.25 40.56,91.51 40.81,91.76 41.24,91.76 41.5,91.5 41.5,91.3 41.4,91.2 41.4,88.08 41.08,87.76 39.84,87.76 v1(39.4,88.2) ; v1(22.7,103.9) 22.7,103.44 28.01,98.14 28.01,97.06 28.01,94.55 29.75,92.8 30.35,92.8 v1(30.75,93.2)
